# Altium PCB USB_PD_PSU.PcbDoc (part 1 of 2)
Units mm, origin at the board's own origin, x right, y up, seen from the top; angles counter-clockwise.
Board outline 85.26 x 59.07 mm, 4 copper layers (Top Layer, L2(power), L3(GND), Bottom Layer), stack 1.589 mm thick; 116 components, 78 nets, 405 pads, 2011 vias.
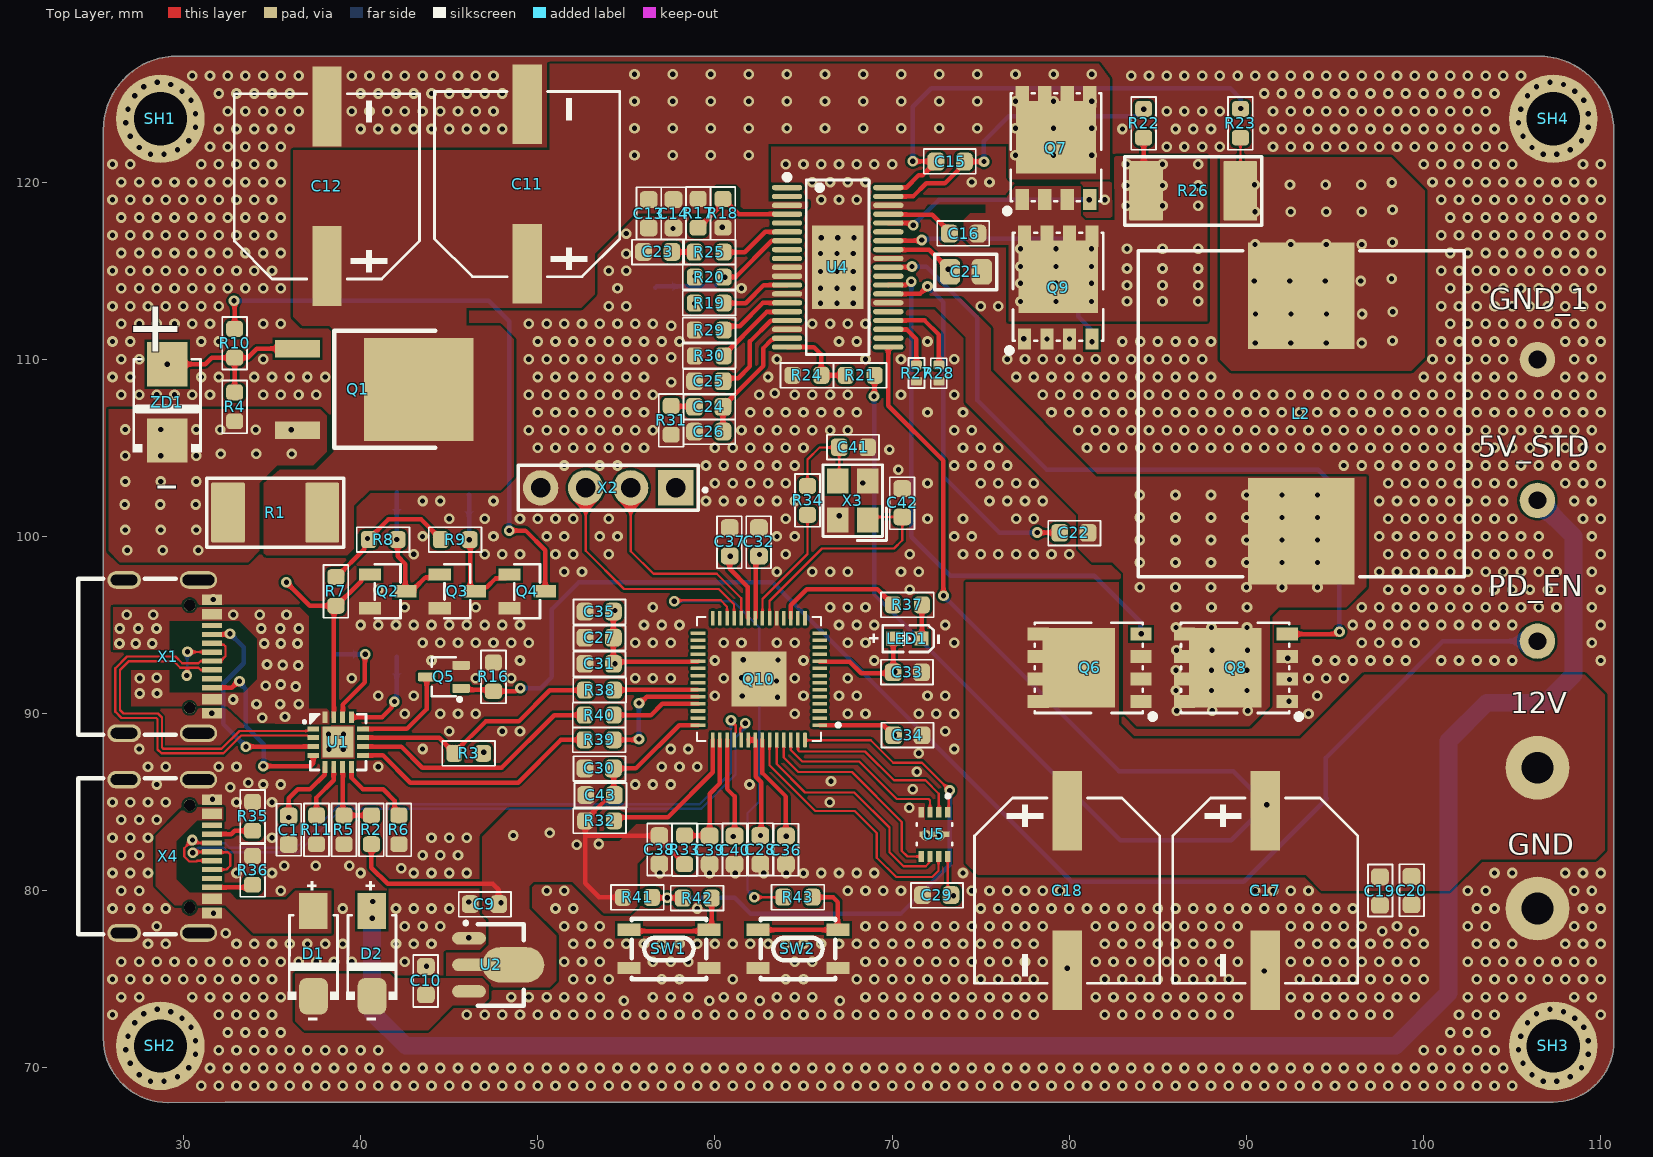
[diagram p0: Top Layer view]
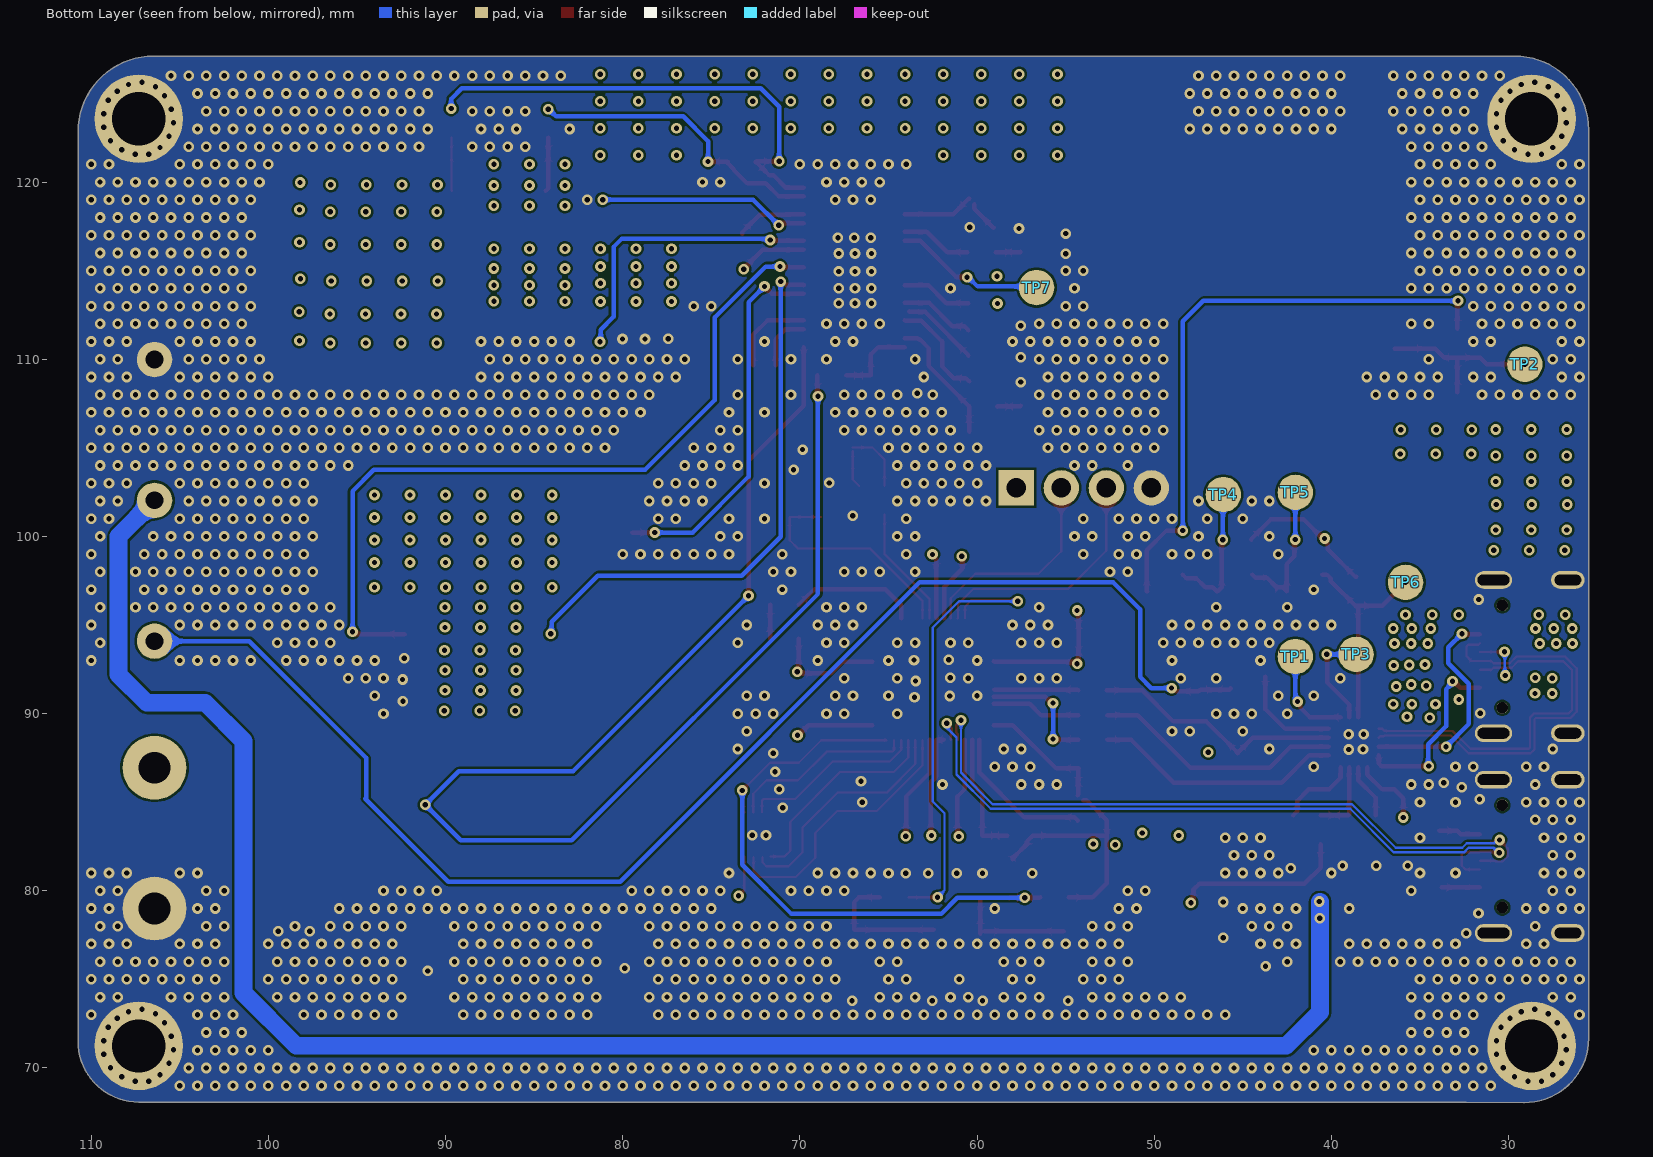
[diagram p1: Bottom Layer view, seen from below]
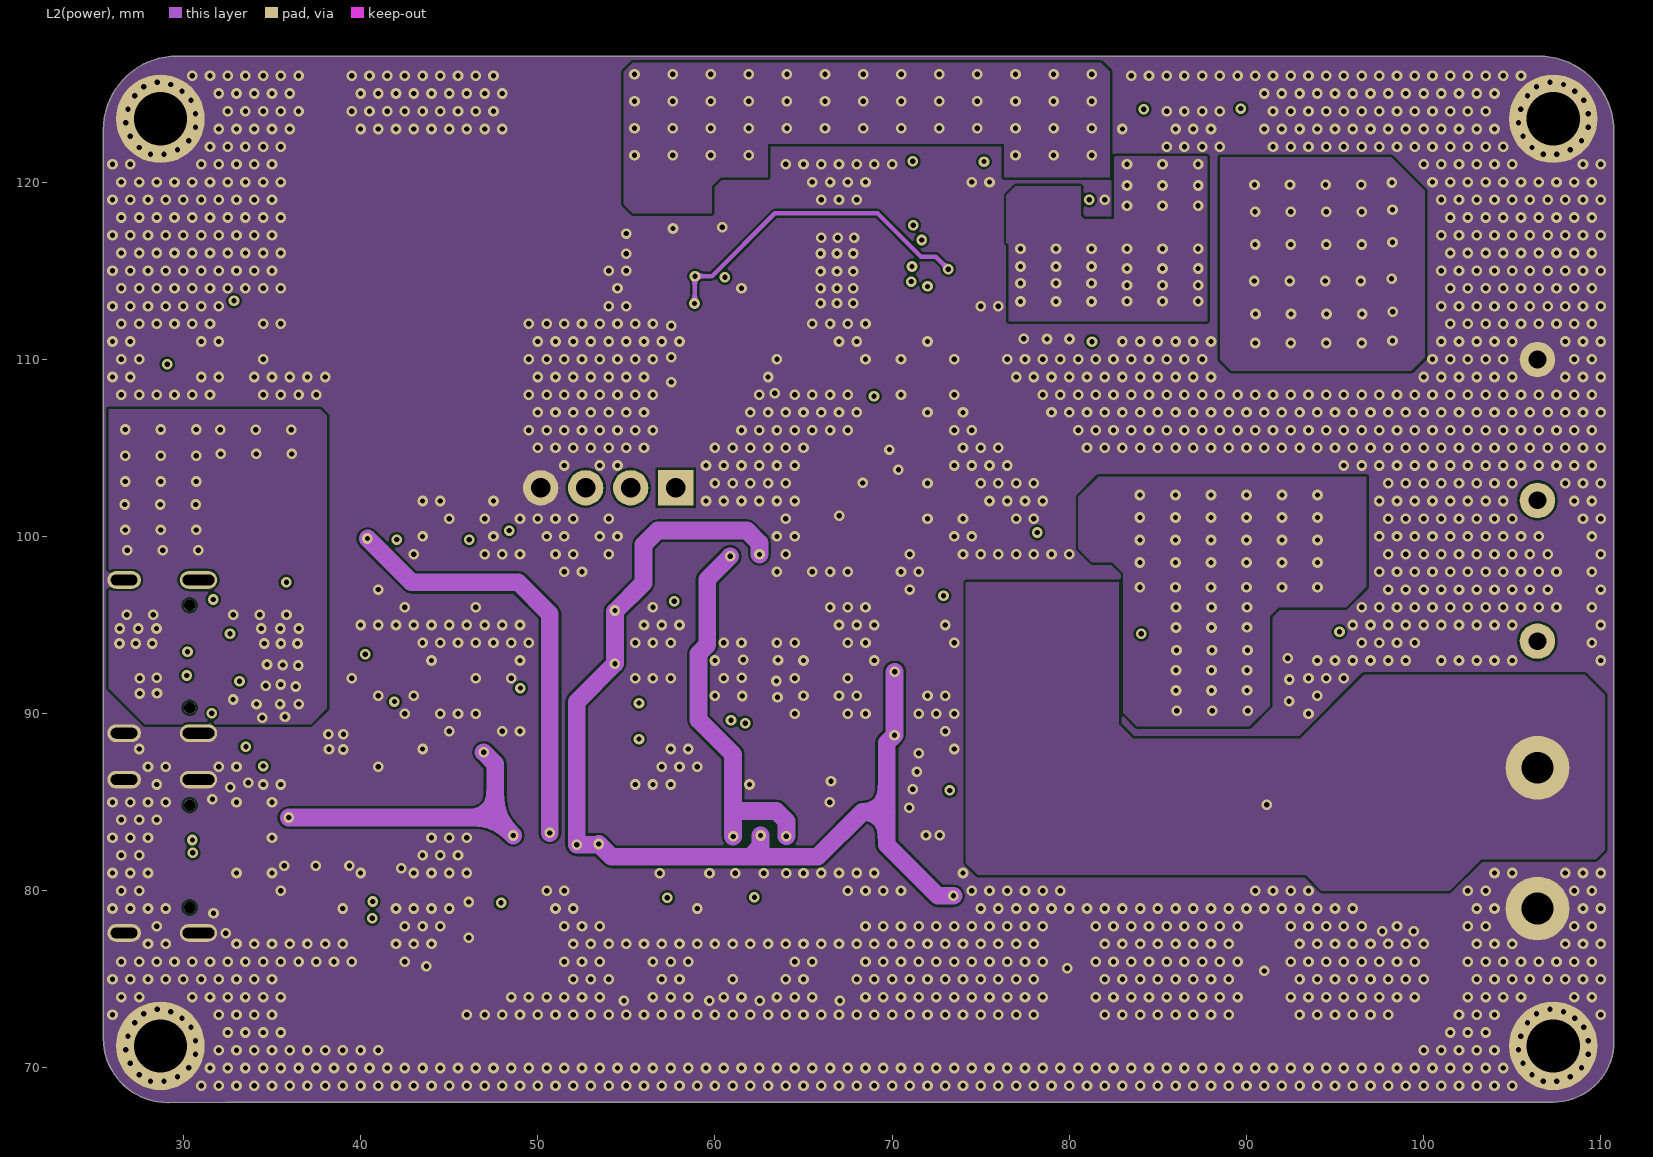
[diagram p2: L2(power)]
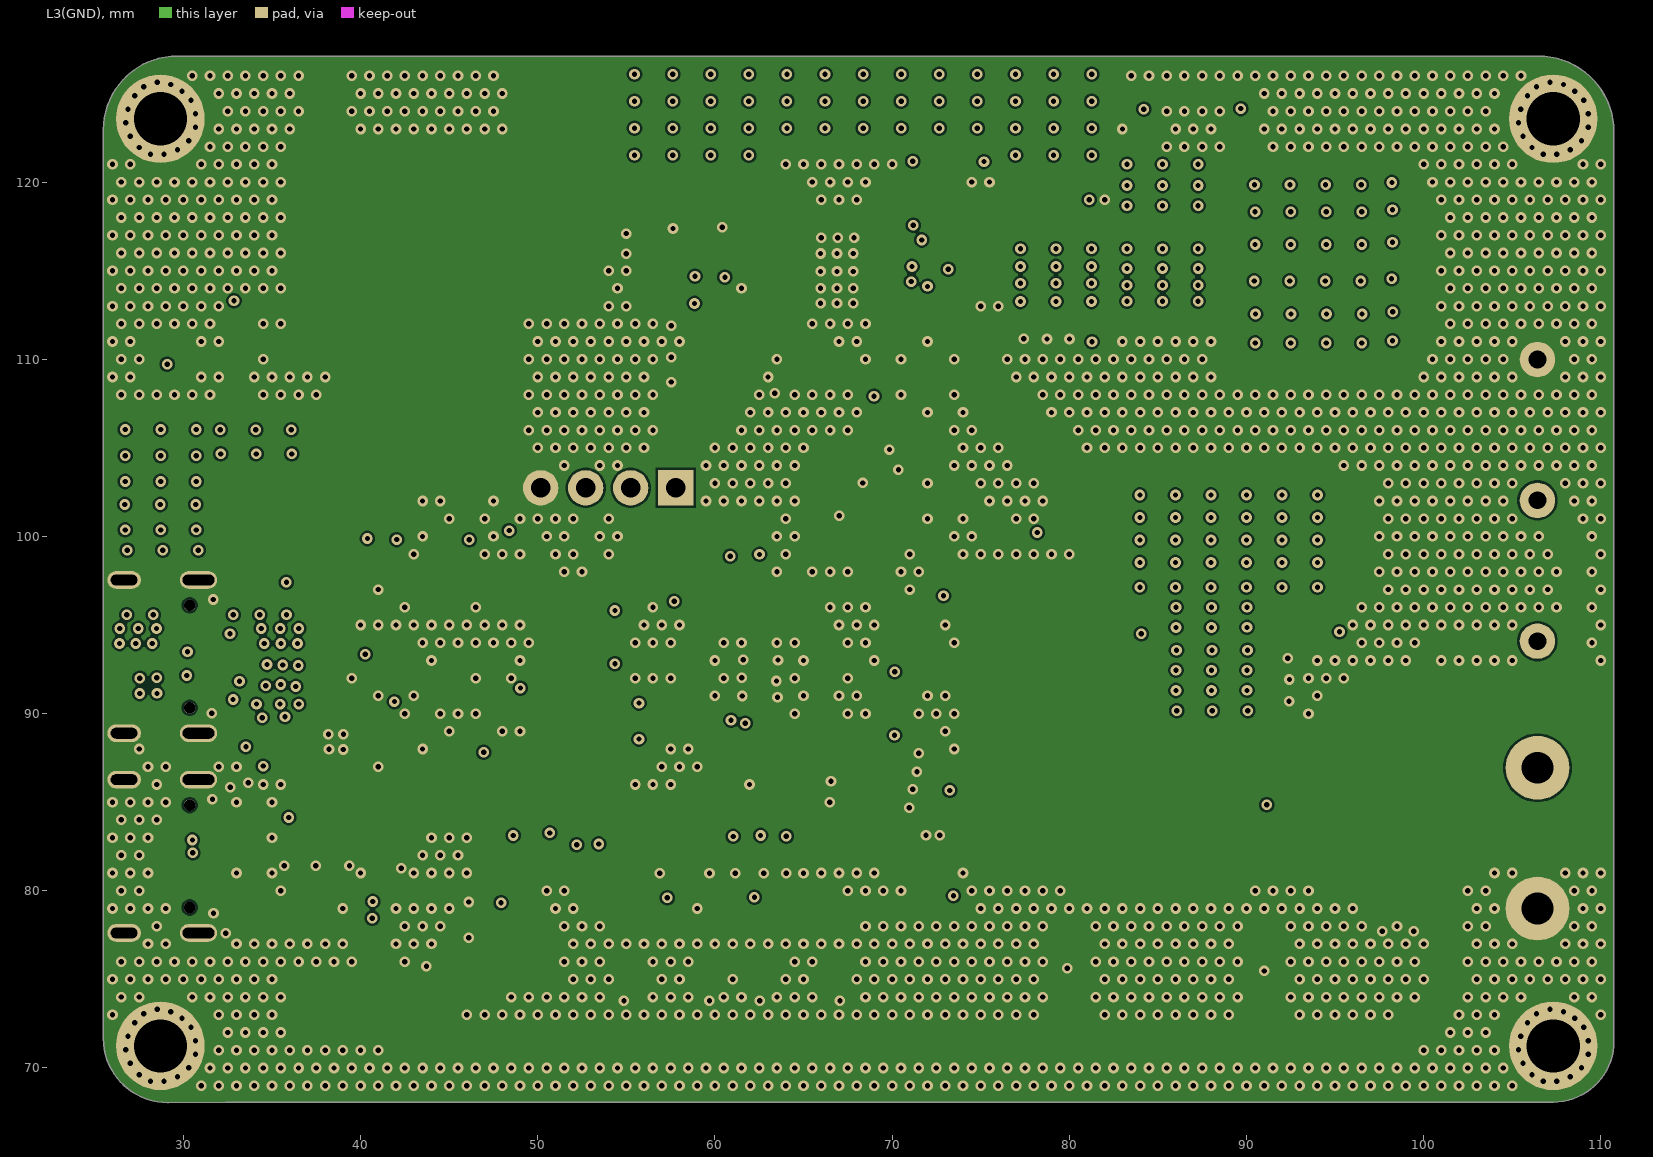
[diagram p3: L3(GND)]
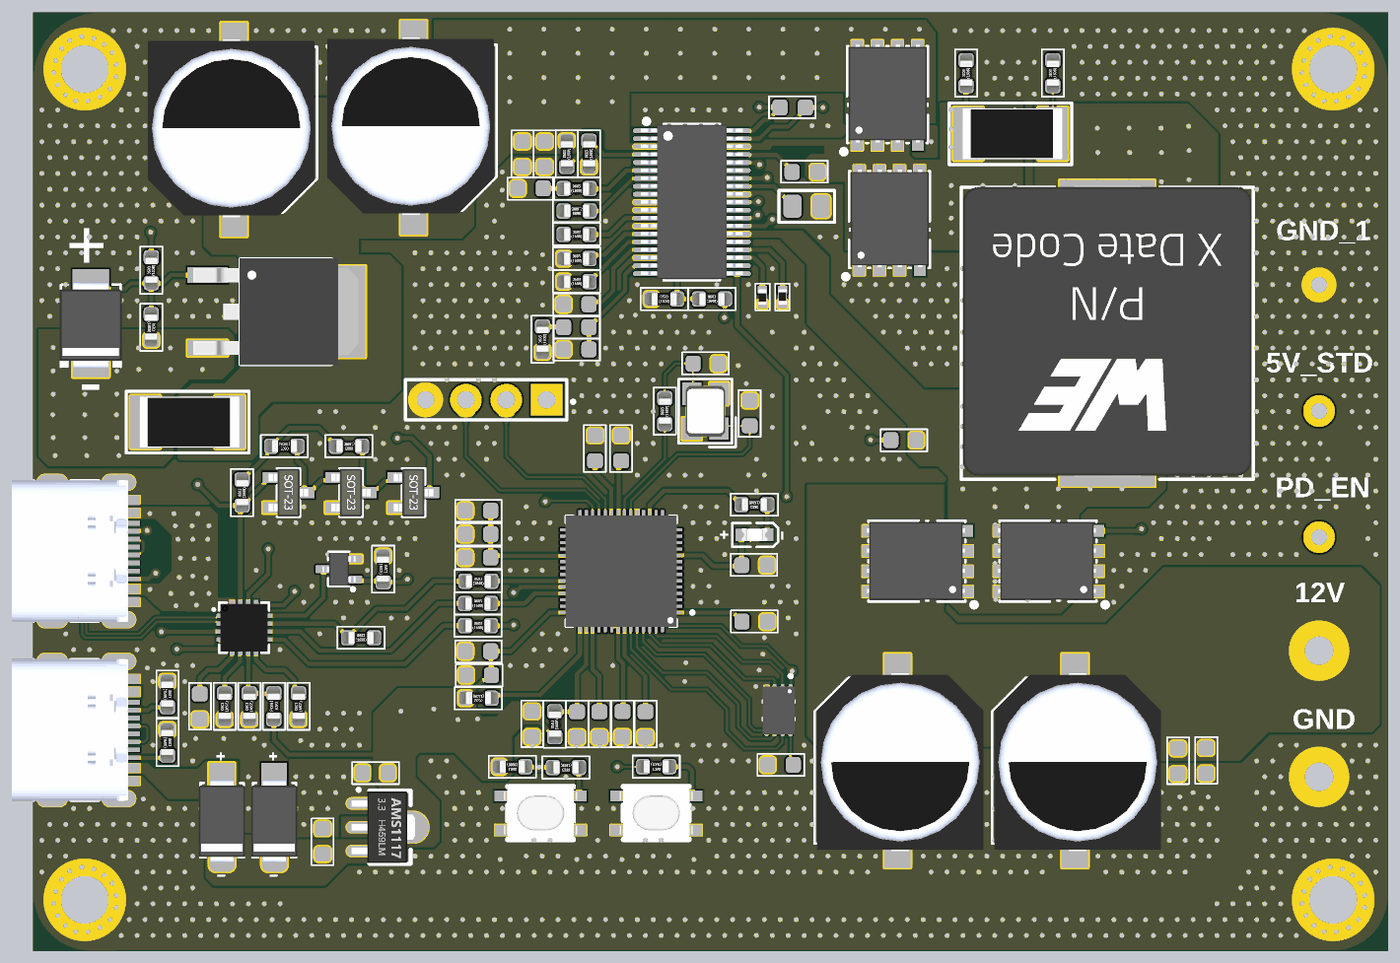
[diagram p5: 3D render of the assembled board from above, using the file's embedded part models]

## Layer stack, top to bottom
Top Solder: solder mask 0.0152, SM-001, Dk 3.8
Top Layer: signal copper 0.07
Dielectric 1: prepreg 0.107, 3313*1, Dk 4.1
Dielectric 2: prepreg 0.0765, 3313*1, Dk 4.1
L2(power): signal copper 0.061
Dielectric 3: core 0.96, Core-039, Dk 4.6
L3(GND): signal copper 0.061
Dielectric 4: prepreg 0.0765, 3313*1, Dk 4.1
Dielectric 5: prepreg 0.107, 3313*1, Dk 4.1
Bottom Layer: signal copper 0.07
Bottom Solder: solder mask 0.0152, SM-001, Dk 3.8

## Board outline
29.131,68.049 cw(c29.102,71.667) 25.484,71.667 25.487,122.948 cw(c29.653,122.948) 29.653,127.115 106.468,127.115 cw(c106.468,122.838) 110.744,122.838 110.744,71.502 cw(c107.314,71.502) 107.314,68.072 32.385,68.072 32.383,68.074

## Design rules (kind name [scope] priority, off if disabled: settings)
Clearance [All] p1: gap=0.127 ignorepadtopadclearanceinfootprint=TRUE
DiffPairsRouting [InDifferentialPairClass('USB')] p1: maxlimit=0.127 minlimit=0.127 mostfreqgap=0.127 toplayer_mingap=0.127 toplayer_minwidth=0.128 toplayer_maxwidth=0.128 toplayer_prefwidth=0.128 midlayer1_maxgap=0.127 midlayer1_prefgap=0.127 midlayer1_minwidth=0.042 midlayer1_maxwidth=0.042 midlayer1_prefwidth=0.042 midlayer2_maxgap=0.127 midlayer2_prefgap=0.127 midlayer2_minwidth=0.042 midlayer2_maxwidth=0.042 midlayer2_prefwidth=0.042 bottomlayer_mingap=0.127 bottomlayer_minwidth=0.128 bottomlayer_maxwidth=0.128 bottomlayer_prefwidth=0.128 impedanceprofiledriven=TRUE impedanceprofileid={92A617A9-122A-4966-8FD2-D310DEB11F5D} impedanceprofilevalue=90.000000 maxuncoupledlength=12.7
HoleSize [All] p1: absolutevalues=TRUE maxlimit=10 minlimit=0.025 maxpercent=80.000 minpercent=20.000
MinimumSolderMaskSliver [All] p1 off: minsoldermaskwidth=0.254
PolygonConnect [All] p1: connectstyle=Direct reliefconductorwidth=0.254 reliefentries=4 polygonreliefangle="90 Angle" airgapwidth=0.254
RoutingVias [All] p1: holewidth=0.711 width=1.27 viastyle="Through Hole" minholewidth=0.711 minwidth=1.27 maxholewidth=0.711 maxwidth=1.27
SilkToSolderMaskClearance [IsPad] p1 off: minsilkscreentomaskgap=0.254 clearancetoexposedcopper=TRUE
SolderMaskExpansion [All] p1: expansion=0.102 istentingtop=FALSE
SupplyNets "Schematic Supply Nets_9" [InNet('GND')] p1: voltage=0.000
SupplyNets "Schematic Supply Nets_8" [InNet('5V_STDBY')] p2: voltage=0.000
SupplyNets "Schematic Supply Nets_7" [InNet('1V1')] p3: voltage=0.000
SupplyNets "Schematic Supply Nets_6" [InNet('VCC_BUCK')] p4: voltage=0.000
SupplyNets "Schematic Supply Nets_4" [InNet('V_PD')] p5: voltage=0.000
SupplyNets "Schematic Supply Nets_3" [InNet('12V')] p6: voltage=0.000
SupplyNets "Schematic Supply Nets_2" [InNet('5V_PC')] p7: voltage=0.000
SupplyNets "Schematic Supply Nets_1" [InNet('3V3')] p8: voltage=0.000
SupplyNets "Schematic Supply Nets" [InNet('VBUS_IN')] p9: voltage=0.000
Width [All] p1: maxlimit=1 minlimit=0.127 preferedwidth=0.254 minimp=50.000000 maximp=50.000000 favimp=50.000000
26 further rules are at their usual default settings.

## Classes and differential pairs
differential pair class USB: D MCUD
component class USB_PD_IC: C1 C9 C10 C11 C12 C13 C14 C15 C16 C17 C18 C19 C20 C21 C22 C23 C24 C25 C26 D1 D2 L2 Q1 Q2 Q3 Q4 Q5 Q6 Q7 Q8 Q9 R1 R2 R3 R4 R5 R6 R7 R8 R9 R10 R11 R16 R17 R18 R19 R20 R21 R22 R23 R24 R25 R26 R27 R28 R29 R30 R31 TP1 TP2 TP3 TP4 TP5 TP6 TP7 U1 U2 U4 X1 ZD1
component class PWR_BUCK: 5V 5V_STD 12V C27 C28 C29 C30 C31 C32 C33 C34 C35 C36 C37 C38 C39 C40 C41 C42 C43 GND GND_1 LED1 PD_EN Q10 R32 R33 R34 R35 R36 R37 R38 R39 R40 R41 R42 R43 SH1 SH2 SH3 SH4 SW1 SW2 U5 X2 X3 X4
differential pair MCUD: +MCUD_P -MCUD_N
differential pair D: +D_P -D_N
